# Altium PCB GSM.PcbDoc (part 2 of 2)
Units mm, origin at the board's own origin, x right, y up, seen from the top; angles counter-clockwise.
Board outline 70.85 x 70.33 mm, 4 copper layers (Top Layer, Layer 1, Layer 2, Bottom Layer), stack 1.569 mm thick; 227 components, 127 nets, 668 pads, 229 vias.
Unrouted connection lines stored in the file: 10.
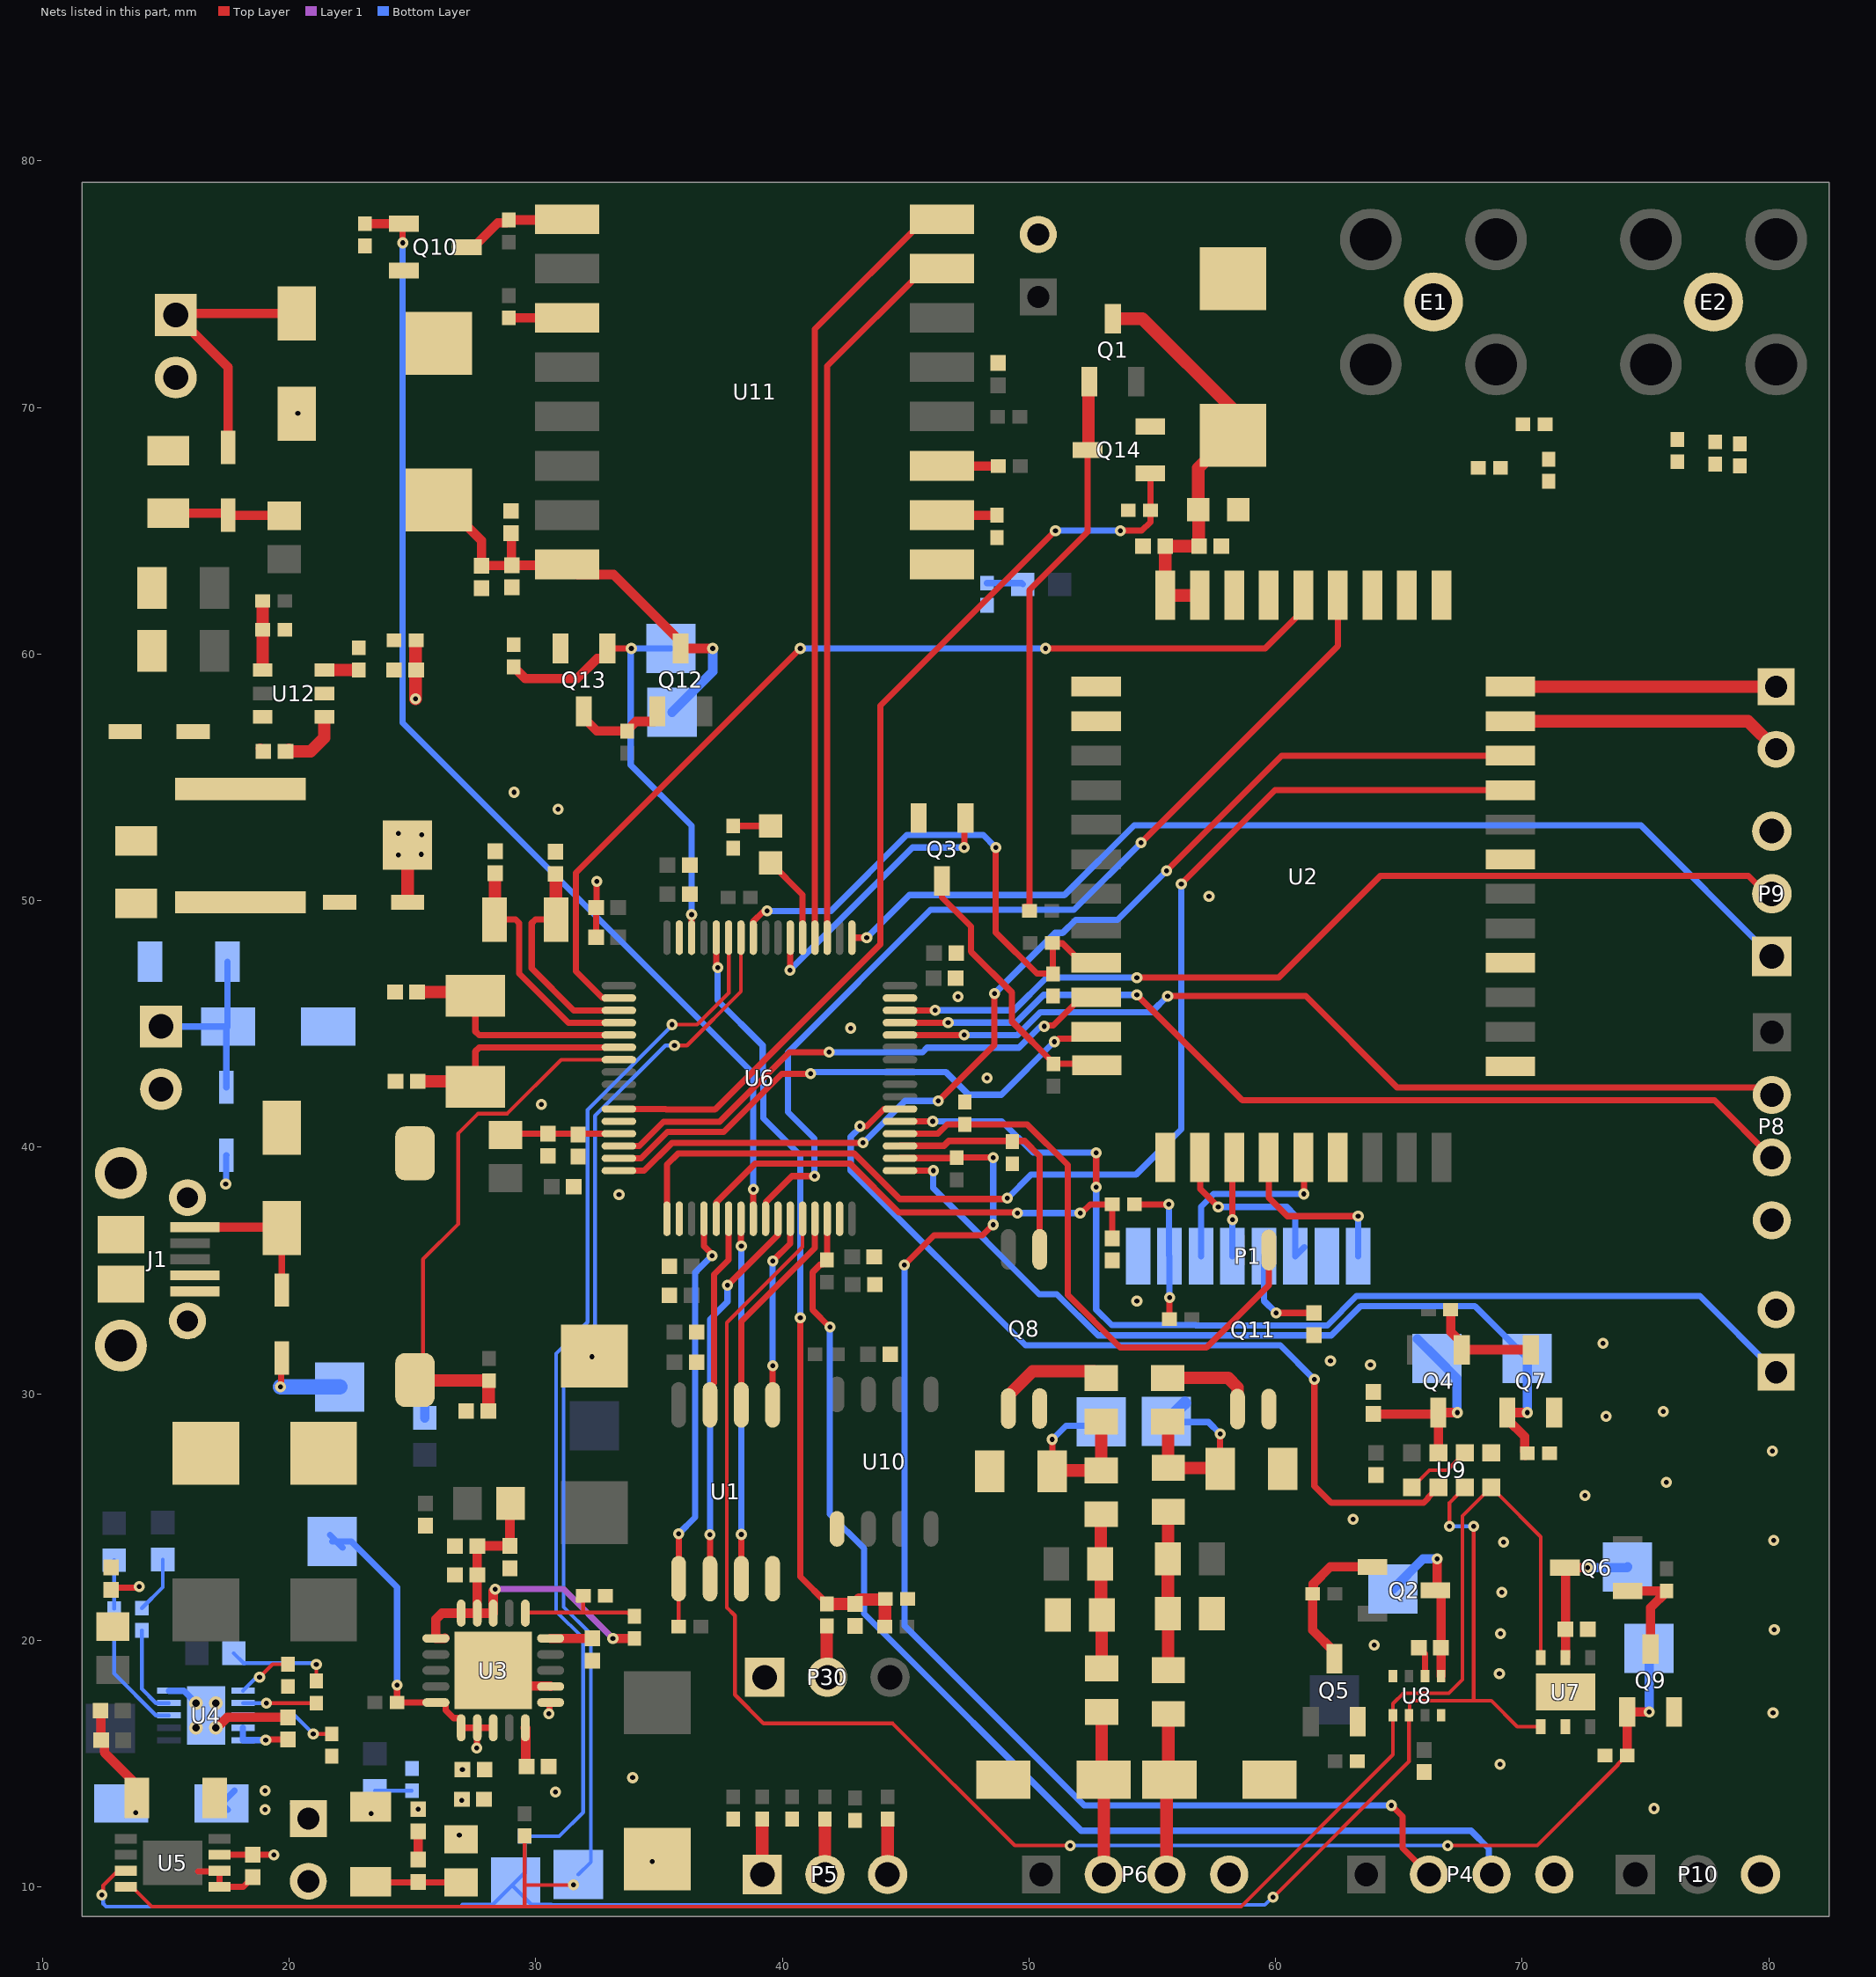
[diagram p4: the nets of this part, all layers, seen from the top]

## Via types
v1: diameter 0.45, hole 0.2, Top Layer to Bottom Layer, 196 vias
v2: diameter 0.45, hole 0.2, Top Layer to Bottom Layer, tented both sides, 16 vias
v3: diameter 0.5, hole 0.2, Top Layer to Bottom Layer, 13 vias
v4: diameter 0.55, hole 0.3, Top Layer to Bottom Layer, 4 vias

## Nets (pads, with @x,y where several pads share a name; then routed paths per layer and width w, separated by ;. In a path a pad name is that pad's centre, name@x,y a point inside that pad or via, vN(x,y) a via of type N, cw(c..) or ccw(c..) an arc to the next point about the centre after c; other vN are vias at no path point) (continued)
DC/DC: C28.2 C56.2 D8.2 D10.2 D17.2 L2.1 P17.1 P19.1 R60.2 | length 10.9
  Top Layer w0.254: L2.1@12.775,20.625 L2.1@12.85,20.55 ; C28.2@12.775,22.05 12.862,22.137 13.887,22.137 v1(13.925,22.175) ; v1(19.65,30.275) 19.675,30.3 19.675,31.425 D8.2@19.7,31.45
  Top Layer w0.508: D17.2@24.8,49.925 P19.1@24.8,52.25 ; v1(25.125,58.175) 25.125,60.525 cw(c25.15,60.525) R60.2@25.15,60.55
  Layer 1 w0.254: v1@19.558,30.297 v1(19.65,30.275)
  Bottom Layer w0.254: v1(17.425,38.5) 17.438,38.513 17.438,39.663 D10.2@17.45,39.675
  Bottom Layer w0.635: v1(19.65,30.275) P17.1@22.05,30.275
  other v1: 24.425,51.85 25.35,51.875 25.375,52.675 24.425,52.725
GND: BAT1.2 C1.1 C2.1 C3.2 C4.1 C5.1 C6.2 C7.2 C8.2 C9.1 C10.2 C11.1 C12.2 C13.1 C14.2 C15.1 C16.2 C17.1 C18.1 C19.1 C20.1 C21.1 C22.1 C23.1 C24.1 C25.1 C26.1 C27.1 C28.1 C29.1 C30.2 C31.2 C34.1 C35.1 C36.1 C37.1 C38.1 C39.1 C40.1 C41.1 C42.1 C43.1 C44.1 C45.1 C46.1 C47.1 C48.1 C49.1 C50.1 C51.1 C52.1 C54.1 C55.1 C57.1 C58.1 C59.1 C60.1 C61.1 C62.1 C63.1 C64.1 C65.1 D1.1 D3.1 D9.1 D11.1 D12.1 D18.1 D20.1 J1.4 J1.5 J1.6 J1.7 J1.8 J1.9 J1.10 J1.11 P1.2 P1.8 P2.2 P3.2 P4.4 P7.2 P8.4 P9.3 P10.3 P14.2 P30.1 Q3.2 Q5.2 Q7.2 Q9.2 Q10.2 Q13.2 Q14.2 R3.2 R5.2 R7.1 R8.1 R9.1 R12.1 R18.1 R24.1 R25.1 R30.1 R31.1 R36.1 R42.1 R43.1 R47.1 R48.1 R55.1 R58.1 R61.1 R62.1 R65.1 R66.1 R67.1 R68.1 R69.1 R70.1 R72.1 S1.1 U1.4 U2.2 U2.13 U2.18 U2.22 U2.25 U2.28 U2.34 U2.36 U2.39 U2.40 U3.12 U3.21 U4.5 U4.11 U5.1 U5.2 U6.12 U6.18 U6.31 U6.47 U6.63 U7.2 U7.7 U8.1 U8.5 U8.7 U9.1 U10.5 U11.9 U12.2 | length 18.7
  Top Layer w0.254: v1(13.775,13) D3.1@13.775,13.85 ; 16.3,10.625 17.15,10.625 U5.2@17.175,10.65 U5.1@17.175,10 18.135,10 18.525,10.39 C27.1@18.525,10.4 C27.1@18.7,10.225 ; C16.2@32.443,48.516 C15.1@32.443,49.716 32.459,49.732 32.459,50.759 v1(32.475,50.775) ; C35.1@65.809,19.7 65.819,19.7 66.059,19.46 U8.7@66.059,18.55
  Top Layer w0.381: C29.1@12.35,17.15 12.362,17.137 12.362,15.963 C18.1@12.375,15.95 12.385,15.95 12.505,15.831 12.505,15.445 13.775,14.175 D3.1@13.775,13.85 ; v4(17.025,16.45) 17.071,16.45 17.496,16.875 C19.1@19.95,16.875 ; D20.1@20.3,69.743 20.315,69.758 v1(20.35,69.758) ; C22.1@25.225,11.1 C23.1@25.225,12.25 ; U3.21@29.663,18.225 29.748,18.14 30.585,18.14 U3.12@30.6,18.125 ; Q13.2@30.867,60.375 31.002,60.241 Q13.2@31.002,60.225 ; v1(32.273,31.499) 32.299,31.525 C25.1@32.375,31.525 ; v1(34.725,11.025) 34.825,11.125 C24.1@34.925,11.125
  Bottom Layer w0.254: U4.5@15.125,17.95 15.127,17.948 15.727,17.948 v4(16.225,17.45)
  other v1: 30.802,13.852 33.927,14.427 64,19.8 63.15,24.9 63.85,31.175 62.225,31.325 54.375,33.75 33.377,38.077 30.227,41.727 48.302,42.802 42.775,44.825 47.127,46.102 57.3,50.175 30.9,53.7 29.116,54.391
  other v2: 75.35,13.175 69.1,14.975 80.175,17.05 69.075,18.65 69.125,20.275 80.225,20.425 69.175,21.95 69.25,23.975 80.2,24.05 72.55,25.875 75.85,26.4 80.15,27.675 73.4,29.075 75.725,29.275 73.275,32.05
  other v4: 16.225,16.45 17.025,17.45
GND24: C32.1 C33.1 D15.1 D16.1 P6.4 Q8.2 Q11.2 R17.1 R29.1
GPS_TX: U2.37 U6.25 | length 39.7
  Top Layer w0.254: U6.25@39.319,37.095 39.328,37.104 39.328,37.761 40.392,38.825 v1(41.3,38.825) ; v1(54.55,52.35) 62.525,60.325 U2.37@62.525,62.375
  Bottom Layer w0.254: v1(41.3,38.825) 41.3,40.347 40.225,41.422 40.225,43.838 46.012,49.625 51.825,49.625 v1(54.55,52.35)
GSM_CTS: U2.10 U6.14 | length 21.9
  Top Layer w0.254: U6.14@33.369,40.045 34.195,40.045 35.175,41.025 37.45,41.025 40.275,43.85 v1(41.9,43.85) ; v1(50.625,44.9) 50.663,44.938 50.988,44.938 52.125,46.075 U2.10@52.725,46.075
  Bottom Layer w0.254: v1(41.9,43.85) 45.683,43.85 45.868,44.034 49.598,44.034 50.464,44.9 v1(50.625,44.9)
GSM_EN: Q14.1 R58.2 U6.11 | length 39.1
  Top Layer w0.254: U6.11@33.369,41.545 35.258,41.545 35.282,41.521 37.271,41.521 43.975,48.225 43.975,57.9 v1(51.075,65) ; v1(53.7,65) 54.575,65 54.925,65.35 R58.2@54.925,65.825 Q14.1@54.925,67.325
  Bottom Layer w0.254: v1(51.075,65) v1(53.7,65)
GSM_LP: R23.1 R30.2 U2.9 U6.57 | length 21.9
  Top Layer w0.254: U6.57@38.819,48.495 38.828,48.504 38.828,49.161 39.207,49.54 39.339,49.54 v1(39.377,49.577) ; v1(48.65,52.15) 48.65,48.705 50.319,47.036 50.961,47.036 50.963,47.038 R23.1@50.963,48.263 ; R23.1@50.95,48.275 R23.1@50.963,48.263 ; U2.9@52.725,47.475 52.15,47.475 51.362,48.263 R23.1@50.963,48.263
  Bottom Layer w0.254: v1(39.377,49.577) 41.968,49.577 45.045,52.654 48.146,52.654 v1(48.65,52.15)
GSM_RESET: Q3.1 U6.54 | length 11.7
  Top Layer w0.254: v1(40.3,47.175) 40.31,47.185 40.31,48.486 U6.54@40.319,48.495 ; v1(47.375,52.15) 47.375,53.3 Q3.1@47.425,53.35
  Bottom Layer w0.254: v1(40.3,47.175) 45.275,52.15 v1(47.375,52.15)
GSM_RTS: U2.11 U6.15 | length 22.2
  Top Layer w0.254: U6.15@33.369,39.545 34.27,39.545 35.343,40.619 37.618,40.619 39.975,42.975 v1(41.15,42.975) ; v1(51.025,44.275) 51.078,44.275 51.205,44.402 52.452,44.402 U2.11@52.725,44.675
  Bottom Layer w0.254: v1(41.15,42.975) 41.224,43.049 46.626,43.049 47.55,42.125 48.875,42.125 v1(51.025,44.275)
GSM_RX: U2.31 U6.16 | length 44.3
  Top Layer w0.254: U6.16@33.369,39.045 34.395,39.045 35.525,40.175 v1(43.275,40.175) ; v1(46.325,41.875) 48.6,44.15 v1(48.6,46.225) ; v1(55.575,51.2) 60.25,55.875 U2.31@69.525,55.875
  Bottom Layer w0.254: v1(43.275,40.175) 44.975,41.875 v1(46.325,41.875) ; v1(48.6,46.225) 51.063,48.687 51.366,48.687 51.897,49.219 53.594,49.219 v1(55.575,51.2)
GSM_TX: U2.30 U6.17 | length 50
  Top Layer w0.254: U6.17@35.319,37.095 35.319,39.294 35.761,39.736 42.921,39.736 44.761,37.896 49.096,37.896 v1(49.125,37.925) ; v1(56.175,50.675) 59.975,54.475 U2.30@69.525,54.475
  Bottom Layer w0.254: v1(49.125,37.925) 50.079,38.879 54.329,38.879 56.175,40.725 v1(56.175,50.675)
GSM_UPDATE_RX: P11.2 U2.32 | length 11.2
  Top Layer w0.508: U2.32@69.525,57.275 79.16,57.275 P11.2@80.3,56.135
GSM_UPDATE_TX: P11.1 U2.33 | length 10.8
  Top Layer w0.508: U2.33@69.525,58.675 P11.1@80.3,58.675
I2C1_SCL: P13.1 R50.1 U5.8 U6.58 U7.6 U8.4 U9.8 | length 122.6
  Top Layer w0.152: U5.8@13.375,10 13.625,10 14.425,9.2 29.544,9.2 ; R50.1@29.544,12.065 29.544,10.05 ; v1@31.55,10.05 v1(31.525,10.075) 29.569,10.075 29.544,10.05 ; v1(35.625,44.125) 36.131,44.125 38.319,46.313 U6.58@38.319,48.495 ; U7.6@70.757,19.297 70.757,24.193 69.036,25.914 69.036,25.926 68.763,26.2 U9.8@68.75,26.2 68.738,26.2 67.576,25.039 67.576,18.401 67.025,17.85 65.181,17.85 64.759,17.429 U8.4@64.759,16.95 64.759,15.359 58.6,9.2 29.544,9.2 ; 29.544,9.2 29.544,10.05
  Bottom Layer w0.152: P13.1@31.725,10.5 32.23,11.005 32.23,20.25 31.13,21.35 31.13,31.499 32.405,32.774 32.405,41.271 35.259,44.125 v1(35.625,44.125)
I2C1_SDA: P12.1 R49.1 U5.7 U6.59 U7.1 U8.3 U9.7 | length 120.5
  Top Layer w0.152: v1(12.4,9.675) 12.457,9.732 12.457,10.055 13.052,10.65 U5.7@13.375,10.65 ; v1(35.519,44.969) 36.544,44.969 37.829,46.254 37.829,48.485 U6.59@37.819,48.495 ; v1(59.9,9.575) 65.409,15.084 U8.3@65.409,16.95 65.433,16.974 65.433,17.429 65.55,17.545 68.03,17.545 ; v1(67.055,24.62) 67.055,25.58 67.389,25.914 67.389,25.926 67.637,26.175 U9.7@67.65,26.175 ; v1(68.03,24.62) 68.03,17.545 ; U7.1@70.757,16.497 69.797,16.497 68.749,17.545 68.03,17.545
  Bottom Layer w0.152: v1(12.4,9.675) 12.457,9.618 12.457,9.318 12.575,9.2 26.95,9.2 27.026,9.276 28.251,9.276 P12.1@29.037,10.062 ; v1(35.519,44.969) 35.519,44.925 32.1,41.506 32.1,32.9 30.825,31.625 30.825,21.175 31.925,20.075 31.925,13.025 30.95,12.05 R49.1@29.55,12.05 29.55,10.575 P12.1@29.175,10.2 P12.1@29.037,10.062 ; v1(59.9,9.575) 59.866,9.575 59.562,9.271 30.63,9.271 30.626,9.276 29.824,9.276 P12.1@29.037,10.062 ; v1(67.055,24.62) v1(68.03,24.62)
I2C2_SCL: P4.2 R28.1 U6.34 | length 51.6
  Top Layer w0.254: U6.34@44.769,39.545 44.778,39.554 47.054,39.554 R28.1@47.075,39.575 v1(48.55,39.575) ; v1(44.95,35.225) 46.15,36.425 48.118,36.425 48.543,36.85 v1(48.55,36.85) ; v1(64.7,13.3) 65.15,12.85 65.15,11.57 P4.2@66.22,10.5
  Bottom Layer w0.254: v1(44.95,35.225) 44.95,20.591 52.241,13.3 v1(64.7,13.3) ; v1(48.55,36.85) v1(48.55,39.575)
I2C2_SDA: P4.3 R27.1 U6.30 | length 47.6
  Top Layer w0.254: U6.30@41.819,37.095 41.81,37.086 41.81,35.435 R27.1@41.8,35.425 41.8,35.4 41.652,35.252 41.557,35.252 41.219,34.915 41.219,33.406 v1(41.925,32.7)
  Bottom Layer w0.254: v1(41.925,32.7) 41.925,25.112 43.311,23.726 43.311,21.081 52.117,12.275 67.925,12.275 68.653,11.547 68.653,10.607 P4.3@68.76,10.5
NetC5_2: C5.2 C6.1 L1.2 U6.13 | length 4.6
  Top Layer w0.254: L1.2@28.768,40.491 28.822,40.545 C5.2@30.493,40.545 31.718,40.545 U6.13@33.369,40.545
NetC20_2: C20.2 C21.2 C45.2 C46.2 Q1.3 U2.41 U2.42 | length 17.4
  Top Layer w0.508: Q1.3@53.4,73.6 54.6,73.6 58.275,69.925 C20.2@58.275,68.875 58.2,68.875 56.862,67.537 C21.2@56.862,65.85 56.881,65.831 56.881,64.394 C45.2@56.9,64.375 C46.2@55.525,64.375 U2.42@55.525,62.375 U2.41@56.925,62.375
NetC22_2: C22.2 F1.2 L3.1 | length 3.7
  Top Layer w0.254: F1.2@23.3,10.201 23.326,10.175 L3.1@26.975,10.175
NetC32_2: C32.2 P23.1 R15.2 R16.1 | length 8
  Top Layer w0.254: C32.2@50.945,26.85 v1(50.945,28.145)
  Top Layer w0.508: C32.2@50.599,26.454 50.945,26.8 C32.2@50.947,26.797 ; C32.2@50.945,26.85 50.984,26.889 52.92,26.889 52.925,26.894 R16.1@52.925,28.861
  Bottom Layer w0.254: v1(50.945,28.145) 51.5,28.7 52.764,28.7 P23.1@52.925,28.861
NetC33_2: C33.2 P24.1 R21.2 R26.1 | length 8.8
  Top Layer w0.254: v1(57.75,28.375) 57.75,26.955 C33.2@57.755,26.95 C33.2@57.755,26.7
  Top Layer w0.508: R26.1@55.625,28.861 55.637,28.848 55.637,27.001 R21.2@55.65,26.989 57.716,26.989 C33.2@57.75,26.955
  Bottom Layer w0.254: P24.1@55.575,28.875 55.6,28.85 57.275,28.85 v1(57.75,28.375)
  Bottom Layer w0.508: P24.1@55.805,29.105 P24.1@56.321,29.621
NetC34_2: C34.2 P22.1 Q6.3 U7.5 | length 6.2
  Top Layer w0.381: Q6.3@71.724,22.939 Q6.3@71.732,22.947 v1(72.653,22.947) ; U7.5@71.757,19.297 C34.2@71.757,20.447 Q6.3@71.757,22.922
  Bottom Layer w0.381: v1(72.653,22.947) 74.247,22.947 P22.1@74.275,22.975
NetC35_2: C35.2 P20.1 Q2.3 U8.8 | length 7.1
  Top Layer w0.381: v1(66.55,23.3) 66.55,22.05 66.709,21.89 C35.2@66.709,19.7 U8.8@66.709,18.55
  Bottom Layer w0.381: P20.1@64.759,22.075 65.984,23.3 v1(66.55,23.3)
NetC38_2: C38.2 P21.1 Q4.3 U9.3 | length 8.7
  Top Layer w0.381: C38.2@63.958,29.177 Q4.3@66.544,29.177 ; U9.3@66.6,27.6 66.6,29.121 Q4.3@66.544,29.177 ; v1(67.368,29.232) Q4.3@66.6,29.232 Q4.3@66.544,29.177
  Bottom Layer w0.381: P21.1@65.75,32.225 P21.1@66.55,31.425 67.36,30.615 67.36,29.241 v1(67.368,29.232)
NetC42_2: C42.2 C43.2 C49.2 C61.2 P25.1 Q12.3 U11.8 | length 19.1
  Top Layer w0.381: C49.2@29.002,64.899 29.014,64.886 29.014,63.611 C42.2@29.027,63.599 ; v1(37.174,60.224) Q12.3@35.877,60.224 35.877,60.499 33.155,63.22 31.684,63.22 U11.8@31.275,63.63 31.244,63.599 C42.2@29.027,63.599 ; C61.2@26.15,66.25 27.802,64.598 C43.2@27.802,63.574 27.814,63.586 29.014,63.586 C42.2@29.027,63.599 ; C61.2@26.15,66.25 C61.2@26.075,66.25 C61.2@26.15,66.25
  Bottom Layer w0.381: P25.1@35.525,57.639 37.174,59.287 v1(37.174,60.224)
NetC44_2: C44.2 P1.4 | length 4.1
  Top Layer w0.254: v1(60.025,33.275) C44.2@61.55,33.275 ; C44.2@61.525,33.325 C44.2@61.575,33.275
  Bottom Layer w0.254: P1.4@59.525,35.575 59.525,33.775 v1(60.025,33.275)
NetC51_2: C51.2 C52.2 C59.2 L6.1 R64.2 U3.1 U3.18 U3.19 U3.20 | length 17.4
  Top Layer w0.381: U3.1@26.31,20.09 26.294,20.075 U3.1@25.95,20.075 25.95,20.852 26.198,21.1 U3.20@26.975,21.1 U3.19@27.625,21.1 ; v1(28.35,22.075) 28.275,22 U3.18@28.275,21.1 U3.19@27.625,21.1 ; L6.1@29.325,25.2 L6.1@28.975,25.55 28.95,25.525 C59.2@28.95,23.825 C52.2@27.625,23.825 C51.2@27.625,22.65 U3.19@27.625,21.1 ; v1(33.125,20.075) R64.2@34,20.075
  Layer 1 w0.254: 27.625,22.65 27.65,22.65 ; v1(28.35,22.075) 31.125,22.075 v1(33.125,20.075)
NetC53_1: C53.1 U12.1 | length 2.8
  Top Layer w0.381: C53.1@19.85,56.05 19.97,56.169 19.98,56.169 C53.1@19.98,56.179
  Top Layer w0.508: C53.1@19.85,56.05 20.872,56.05 21.425,56.603 U12.1@21.425,57.45
NetC53_2: C53.2 D18.2 L4.1 U12.6 | length 0.2
  Top Layer w0.381: C53.2@18.82,56.179 18.82,56.169 18.94,56.05 C53.2@18.95,56.05
NetC54_2: C54.2 D17.1 L4.2
NetC56_1: C56.1 R60.1 R62.2 U12.3 | length 1.4
  Top Layer w0.508: U12.3@21.425,59.35 R62.2@22.825,59.35
NetC57_2: C57.2 D19.2 L5.1 | length 4.7
  Top Layer w0.381: C57.2@15.1,65.705 17.445,65.705 D19.2@17.525,65.625 19.775,65.625 L5.1@19.8,65.6
NetC62_2: C62.2 U3.10 | length 1.6
  Top Layer w0.381: U3.10@29.575,16.45 29.59,16.434 29.59,14.909 C62.2@29.625,14.875
NetC63_2: C63.2 U3.15 | length 1.7
  Top Layer w0.381: U3.15@30.6,20.075 C63.2@32.3,20.075
NetD2_2: D2.2 R1.2 | length 2
  Bottom Layer w0.152: R1.2@12.9,21.275 D2.2@12.9,23.25
NetD4_2: D4.2 R2.2 | length 2.3
  Bottom Layer w0.152: R2.2@14.025,21.3 14.875,22.15 D4.2@14.875,23.275
NetD5_2: D5.2 R4.2 | length 4.2
  Top Layer w0.152: R4.2@21.1,18.35 v1(21.1,19.025)
  Bottom Layer w0.152: D5.2@17.75,19.475 18.149,19.076 21.049,19.076 v1(21.1,19.025)
NetD6_2: D6.2 R7.2 | length 1.5
  Bottom Layer w0.152: D6.2@23.475,13.9 R7.2@24.975,13.9
NetD7_2: D7.2 R8.2 | length 1.3
  Bottom Layer w0.381: D7.2@25.5,29.02 R8.2@25.5,30.25 R8.2@25.585,30.165
NetD8_1: D8.1 D9.2 J1.1 | length 6.1
  Top Layer w0.254: D9.2@19.668,36.75 D9.2@19.7,36.718 D8.1@19.7,34.2
  Top Layer w0.381: J1.1@16.175,36.75 D9.2@19.668,36.75
NetD10_1: D10.1 D11.2 D12.2 P3.1 | length 7.8
  Bottom Layer w0.254: P3.1@14.8,44.89 D12.2@17.5,44.89 ; D10.1@17.45,42.425 17.45,44.822 17.5,44.872 D12.2@17.5,44.89 ; D11.2@17.5,47.525 D12.2@17.5,44.89
NetD13_2: D13.2 R9.2 | length 1.5
  Bottom Layer w0.254: R9.2@48.3,62.875 49.7,62.875 D13.2@49.75,62.825
NetD14_2: D14.2 R12.2 | length 1.5
  Top Layer w0.254: R12.2@38,53.025 D14.2@39.525,53.025
NetD19_1: D19.1 D20.2 P2.1 | length 11.2
  Top Layer w0.381: D19.1@17.525,68.375 17.525,71.625 P2.1@15.4,73.75 15.457,73.807 D20.2@20.3,73.807
NetE1_1: E1.1 R22.2 R25.2
NetE2_1: E2.1 R46.2 R47.2
NetP1_1: P1.1 U2.16 | length 7.2
  Top Layer w0.254: U2.16@59.725,39.575 59.725,37.95 60.475,37.2 v1(63.35,37.2)
  Bottom Layer w0.254: P1.1@63.35,35.575 v1(63.35,37.2)
NetP1_7: P1.7 R34.1 R35.1 | length 6.1
  Top Layer w0.254: R35.1@54.275,37.675 v1(55.675,37.675) ; R34.1@55.7,33.025 v1(55.7,33.9)
  Bottom Layer w0.254: v1(55.675,37.675) 55.675,35.6 P1.7@55.7,35.575 v1(55.7,33.9)
NetP5_1: P5.1 R32.2 | length 2.3
  Top Layer w0.508: P5.1@39.185,10.5 R32.2@39.185,12.75
NetP5_2: P5.2 R40.2 | length 2.3
  Top Layer w0.508: P5.2@41.725,10.5 R40.2@41.725,12.75
NetP5_3: P5.3 R41.2 | length 2.3
  Top Layer w0.508: P5.3@44.265,10.5 R41.2@44.265,12.75
NetP30_2: P30.2 R71.1 | length 2.1
  Top Layer w0.508: P30.2@41.8,18.507 R71.1@41.8,20.567
NetQ1_1: Q1.1 Q14.3 R57.1 | length 23.1
  Top Layer w0.254: R57.1@49.852,49.748 49.852,49.723 50,49.575 R57.1@50.025,49.575 50.025,62.6 52.375,64.95 52.375,68 52.1,68.275 Q14.3@52.375,68.275
  Top Layer w0.508: Q14.3@52.375,68.275 52.412,68.312 52.412,71.012 Q1.1@52.45,71.05
NetQ2_1: Q2.1 Q5.3 R37.1 | length 6.1
  Top Layer w0.381: Q5.3@62.397,19.262 Q5.3@62.384,19.25 62.384,19.525 61.502,20.407 R37.1@61.502,21.883 61.527,21.883 61.527,22.283 62.219,22.975 Q2.1@63.934,22.975
NetQ3_3: Q3.3 R33.1 U2.12 | length 11.1
  Top Layer w0.254: Q3.3@46.475,50.8 46.475,50.125 47.649,48.951 47.649,47.926 49.313,46.262 49.313,45.087 51,43.4 R33.1@51,43.375 52.7,43.375 U2.12@52.75,43.325
NetQ4_1: Q4.1 Q7.3 R38.1 | length 4.6
  Top Layer w0.381: R38.1@67.1,33.407 67.1,32.507 67.55,32.057 Q4.1@67.55,31.782 Q7.3@70.35,31.782
NetQ6_1: Q6.1 Q9.3 R39.1 | length 4.2
  Top Layer w0.381: Q6.1@74.282,21.997 R39.1@75.857,21.997 75.857,21.972 75.207,21.322 Q9.3@75.207,19.647
NetQ8_1: Q8.1 R16.2 | length 4.3
  Top Layer w0.508: Q8.1@49.165,29.925 50.15,30.91 52.654,30.91 R16.2@52.925,30.639
NetQ11_1: Q11.1 R26.2 | length 3.5
  Top Layer w0.508: R26.2@55.625,30.639 58.076,30.639 58.465,30.25 Q11.1@58.465,29.75
NetQ12_1: Q12.1 Q13.3 R56.1 | length 4
  Top Layer w0.381: Q13.3@31.952,57.675 31.952,57.4 32.477,56.875 R56.1@33.702,56.875 33.702,56.9 34.066,57.264 34.792,57.264 34.927,57.399 Q12.1@34.927,57.674
NetR1_1: R1.1 U4.3 | length 4.7
  Bottom Layer w0.152: R1.1@12.9,20.375 12.9,18.65 14.6,16.95 U4.3@15.125,16.95
NetR2_1: R2.1 U4.4 | length 3.7
  Bottom Layer w0.152: R2.1@14.025,20.4 14.025,18.025 14.6,17.45 U4.4@15.125,17.45
NetR3_1: R3.1 U4.8 | length 3.9
  Top Layer w0.152: v1(20.975,16.2) R3.1@21.725,16.2
  Bottom Layer w0.152: U4.8@18.125,16.95 20.225,16.95 v1(20.975,16.2)
NetR4_1: R4.1 U4.7 | length 3
  Top Layer w0.152: v1(19.075,17.45) R4.1@21.1,17.45
  Bottom Layer w0.152: U4.7@18.125,17.45 v1(19.075,17.45)
NetR5_1: R5.1 U4.6 | length 2.6
  Top Layer w0.152: v1@18.756,18.5 v1(18.8,18.5) 19.325,19.025 R5.1@19.95,19.025 R5.1@20.149,19.224
  Bottom Layer w0.152: U4.6@18.125,17.95 18.675,18.5 v1(18.8,18.5)
NetR13_1: R13.1 R14.2 R15.1 R17.2 | length 6.3
  Top Layer w0.508: R15.1@52.925,25.111 52.907,25.093 52.907,23.118 R13.1@52.889,23.1 52.919,23.069 52.919,21.055 R17.2@52.95,21.025 R14.2@52.95,18.864
NetR19_1: R19.1 R20.2 R21.1 R29.2 | length 6.4
  Top Layer w0.508: R20.2@55.65,18.789 55.643,18.796 55.643,21.068 R29.2@55.636,21.075 R19.1@55.636,23.3 55.643,23.307 55.643,25.204 R21.1@55.65,25.211
NetR22_1: R22.1 R24.2 U2.35
NetR46_1: R46.1 R48.2 U2.1
NetR52_1: R52.1 U11.3 | length 2.4
  Top Layer w0.381: R52.1@28.902,73.63 U11.3@31.275,73.63
NetR53_1: R53.1 U11.11 | length 2.3
  Top Layer w0.381: U11.11@46.475,67.63 46.48,67.625 R53.1@48.752,67.625
NetR55_2: R55.2 U11.10 | length 2.2
  Top Layer w0.381: U11.10@46.475,65.63 46.48,65.625 R55.2@48.702,65.625
NetR59_1: R59.1 R61.2 U12.4 | length 2.7
  Top Layer w0.508: U12.4@18.925,59.411 R61.2@18.925,60.975 R59.1@18.925,62.15
NetR64_1: R64.1 R65.2 U3.16 | length 5.2
  Top Layer w0.152: U3.16@29.575,21.1 29.601,21.126 31.875,21.126 ; R65.2@31.925,21.8 31.925,21.176 31.875,21.126 ; R64.1@34,20.85 33.724,21.126 31.875,21.126
NetU9_2: U9.2 U9.5 | length 2.7
  Top Layer w0.152: U9.5@65.525,26.2 65.537,26.2 66.238,26.9 66.963,26.9 67.663,27.6 U9.2@67.675,27.6
P_IN1: D15.2 P6.2 R14.1 | length 6.6
  Top Layer w0.508: R14.1@52.95,17.086 52.95,14.425 D15.2@53.025,14.35 53.035,14.34 P6.2@53.035,10.5
P_IN2: D16.2 P6.3 R20.1 | length 6.5
  Top Layer w0.508: P6.3@55.575,10.5 55.575,14.318 55.65,14.393 R20.1@55.65,17.011
QSPI_CLK: U1.6 U6.29 | length 8.8
  Top Layer w0.254: U1.6@38.335,29.55 38.335,32.93 41.31,35.905 41.31,37.086 U6.29@41.319,37.095
QSPI_CS: R10.1 U1.1 U6.20 | length 17.2
  Top Layer w0.152: R10.1@35.795,20.55 U1.1@35.795,22.5
  Top Layer w0.254: U1.1@35.795,22.5 v1(35.795,24.32) ; U6.20@36.819,37.095 36.819,35.984 37.15,35.653 v1(37.15,35.6)
  Bottom Layer w0.254: v1(35.795,24.32) 36.466,24.991 36.466,34.916 v1(37.15,35.6)
QSPI_IO0: U1.5 U6.27 | length 7.8
  Top Layer w0.254: U1.5@39.605,29.55 v1(39.605,31.13) ; v1(39.605,35.38) 40.31,36.085 40.31,37.086 U6.27@40.319,37.095
  Bottom Layer w0.254: v1(39.605,31.13) v1(39.605,35.38)
QSPI_IO1: U1.2 U6.26 | length 15.7
  Top Layer w0.254: U1.2@37.065,22.5 v1(37.065,24.285) ; v1(37.775,34.394) 39.81,36.429 39.81,37.086 U6.26@39.819,37.095
  Bottom Layer w0.254: v1(37.065,24.285) 37.065,33.015 37.775,33.725 v1(37.775,34.394)
QSPI_IO2: U1.3 U6.23 | length 14.6
  Top Layer w0.254: U6.23@38.319,37.095 38.319,36.006 v1(38.335,35.99) ; U1.3@38.335,22.5 v1(38.335,24.29)
  Bottom Layer w0.254: v1(38.335,24.29) v1(38.335,35.99)
QSPI_IO3: U1.7 U6.22 | length 7.9
  Top Layer w0.254: U1.7@37.065,29.55 37.065,30.269 37.225,30.429 37.225,34.831 37.819,35.425 U6.22@37.819,37.095
S_CLK: P1.5 U2.15 | length 4
  Top Layer w0.254: v1(58.253,37.052) 58.253,39.497 58.25,39.5 U2.15@58.325,39.575
  Bottom Layer w0.254: P1.5@58.25,35.575 58.253,35.578 v1(58.253,37.052)
S_DATA: P1.6 U2.17 | length 7.9
  Top Layer w0.254: U2.17@61.125,39.575 61.1,39.55 61.15,39.5 v1(61.15,38.1)
  Bottom Layer w0.254: P1.6@56.975,35.575 56.975,37.588 57.487,38.1 v1(61.15,38.1)
S_RST: P1.3 U2.14 | length 7.8
  Top Layer w0.254: U2.14@56.925,39.575 56.95,39.55 56.95,38.3 v1(57.675,37.575)
  Bottom Layer w0.254: v1(57.675,37.575) 60.45,37.575 60.8,37.225 P1.3@60.8,35.575 P1.3@61.173,35.948
SHT20_EN: P28.1 Q9.1 R68.2 U6.28 | length 66.2
  Top Layer w0.152: U6.28@40.819,37.095 40.819,35.953 37.75,32.884 37.75,21.325 38.075,21 38.075,17.787 39.237,16.625 44.475,16.625 49.425,11.675 v1(51.675,11.675) ; v1(66.975,11.675) 70.608,11.675 73.886,14.952 73.886,14.976 74.232,15.322 R68.2@74.257,15.322
  Top Layer w0.381: R68.2@74.257,15.322 Q9.1@74.257,17.097 v1(75.153,17.097)
  Bottom Layer w0.152: v1(51.675,11.675) v1(66.975,11.675)
  Bottom Layer w0.381: P28.1@75.15,19.675 75.153,19.672 v1(75.153,17.097)
SPI1_MISO: P8.2 U6.44 | length 37.7
  Top Layer w0.254: U6.44@44.769,44.545 46.507,44.545 46.511,44.541 46.929,44.541 46.933,44.545 v1(47.37,44.545) ; v1(55.625,46.125) 61.224,46.125 64.924,42.425 79.815,42.425 P8.2@80.125,42.115
  Bottom Layer w0.254: v1(47.37,44.545) 49.534,44.545 50.464,45.475 54.975,45.475 v1(55.625,46.125)
SPI1_MOSI: P8.3 U6.45 | length 38.6
  Top Layer w0.254: U6.45@44.769,45.045 45.982,45.045 45.986,45.041 46.404,45.041 46.408,45.045 v1(46.72,45.045) ; v1(54.375,46.175) 58.65,41.9 77.8,41.9 P8.3@80.125,39.575
  Bottom Layer w0.254: v1(46.72,45.045) 46.724,45.049 49.464,45.049 50.589,46.175 v1(54.375,46.175)
STM_BOOT: C41.2 R45.1 R71.2 R72.2 U6.60 | length 32.5
  Top Layer w0.254: U6.60@37.319,48.495 37.319,47.384 37.375,47.328 v1(37.375,47.275) ; v1(40.725,33.075) 40.725,22.582 41.807,21.5 R71.2@41.807,21.475
  Top Layer w0.508: R71.2@41.807,21.475 C41.2@42.95,21.475 42.95,21.485 43.119,21.654 44.154,21.654 R72.2@44.162,21.662 ; R45.1@44.15,20.55 44.162,20.563 R72.2@44.162,21.662 ; R72.2@44.175,21.675 R72.2@44.162,21.662
  Bottom Layer w0.254: v1(37.375,47.275) 37.375,45.95 39.2,44.125 39.2,43.188 39.225,43.163 39.225,41.175 40.725,39.675 v1(40.725,33.075)
STM_CD: C48.2 R35.2 U6.21 | length 19.7
  Top Layer w0.254: U6.21@37.319,37.095 37.328,37.104 37.328,37.761 38.896,39.329 42.753,39.329 44.728,37.354 49.496,37.354 v1(49.525,37.325) ; v1(52.075,37.325) 52.128,37.325 52.478,37.675 R35.2@53.375,37.675 C48.2@53.375,36.3
  Bottom Layer w0.254: v1(49.525,37.325) v1(52.075,37.325)
STM_GSM13: U2.38 U6.2 | length 40.7
  Top Layer w0.254: U6.2@33.369,46.045 33.36,46.054 32.703,46.054 31.625,47.132 31.625,51.125 v1(40.725,60.225) ; v1(50.675,60.225) 59.575,60.225 61.125,61.775 U2.38@61.125,62.375
  Bottom Layer w0.254: v1(40.725,60.225) v1(50.675,60.225)
STM_INPUT_1: Q8.3 R18.2 U6.35 | length 9.8
  Top Layer w0.254: U6.35@44.769,40.045 44.778,40.054 46.55,40.054 46.746,40.25 48.125,40.25 ; 48.15,40.25 48.55,40.25 49.825,40.25 50.435,39.64 Q8.3@50.435,35.85
STM_INPUT_2: Q11.3 R31.2 U6.36 | length 24.4
  Top Layer w0.254: U6.36@44.769,40.545 44.773,40.541 46.304,40.541 46.688,40.925 R31.2@47.4,40.925 49.925,40.925 51.571,39.279 51.571,34.004 53.7,31.875 57.2,31.875 59.725,34.4 Q11.3@59.725,35.825
STM_LED: D14.1 U6.53 | length 3.6
  Top Layer w0.254: D14.1@39.525,51.525 40.819,50.231 U6.53@40.819,48.495 U6.53@40.815,48.499
STM_RST: C40.2 R44.1 S1.2 U6.7 | length 22.7
  Top Layer w0.152: S1.2@25.1,30.555 25.424,30.879 25.424,35.449 26.85,36.875 26.85,40.55 27.661,41.361 28.845,41.361 31.028,43.545 U6.7@33.369,43.545
  Top Layer w0.508: S1.2@25.1,30.555 25.115,30.54 28.085,30.54 28.087,30.537 C40.2@28.087,29.312 ; S1.2@25.331,30.055 S1.2@25.341,30.065 ; C40.2@28.088,29.312 C40.2@28.075,29.3 C40.2@28.087,29.312
SWCLK: P9.1 U6.49 | length 41.4
  Top Layer w0.254: U6.49@42.819,48.495 v1(43.42,48.495)
  Bottom Layer w0.254: v1(43.42,48.495) 45.15,50.225 51.438,50.225 54.263,53.05 74.81,53.05 P9.1@80.125,47.735
SWDIO: P9.2 U6.46 | length 37.9
  Top Layer w0.254: U6.46@44.769,45.545 v1(46.195,45.545) ; v1(54.375,46.875) 60.129,46.875 64.249,50.996 79.175,50.996 79.896,50.275 P9.2@80.125,50.275
  Bottom Layer w0.254: v1(46.195,45.545) 46.199,45.549 49.389,45.549 50.714,46.875 v1(54.375,46.875)
TIM3_CH1_PWM: P7.1 U6.37 | length 44.5
  Top Layer w0.254: U6.37@44.769,41.045 v1(46.095,41.045) ; v1(52.725,38.375) v1(52.725,39.775)
  Bottom Layer w0.254: v1(46.095,41.045) 48.903,41.045 50.173,39.775 v1(52.725,39.775) ; v1(52.725,38.375) 52.725,33.412 53.355,32.781 56.758,32.781 56.769,32.771 62.096,32.771 63.282,33.956 77.211,33.956 P7.1@80.3,30.867
UART4_RX: U6.52 U11.16 | length 31.7
  Top Layer w0.254: U6.52@41.319,48.495 41.319,73.174 45.775,77.63 U11.16@46.475,77.63
UART4_TX: U6.51 U11.15 | length 29.5
  Top Layer w0.254: U6.51@41.819,48.495 41.819,71.674 45.775,75.63 U11.15@46.475,75.63
VBATT: BAT1.1 C19.2 C27.2 D1.2 D3.2 F1.1 U4.9 U4.10 U5.3 | length 7.6
  Top Layer w0.254: D3.2@16.975,13.6 D3.2@17.275,13.9 ; U5.3@17.175,11.3 C27.2@18.525,11.3 v1(19.375,11.3) ; v1(19.05,15.95) 19.075,15.975 C19.2@19.95,15.975 ; BAT1.1@20.775,12.765 BAT1.1@21.259,13.249
  Bottom Layer w0.254: D1.2@17.507,13.125 D1.2@17.257,13.375 D1.2@17.782,13.9 ; U4.9@18.125,16.45 U4.10@18.125,15.95 v1(19.05,15.95) ; BAT1.1@20.165,13.375 BAT1.1@20.775,12.765
  other v1: 23.325,12.975 19.025,13.125 19.025,13.9
VCC: C23.2 C26.2 C47.2 L3.2 P15.1 R63.2 U3.5 U3.6 U3.7 U3.8 U3.11 | length 15.2
  Top Layer w0.254: v1(24.375,18.175) R63.2@24.375,17.475 U3.5@25.95,17.475 26.299,17.475 26.343,17.431 26.343,17.161 26.662,16.843 26.931,16.843 26.975,16.799 U3.6@26.975,16.45 ; v1(25.225,13.15) 25.225,13.14 C23.2@25.408,12.957 ; L3.2@26.875,11.925 L3.2@26.975,11.925 ; C47.2@26.987,14.713 C47.2@27,14.7 ; U3.6@26.987,16.437 U3.6@26.975,16.45 ; v1(27.6,15.625) 27.613,15.638 27.613,16.437 U3.7@27.625,16.45 ; U3.8@28.275,16.45 U3.7@27.625,16.45 ; v1(30.525,17.025) 30.563,17.063 30.563,17.437 U3.11@30.6,17.475 ; U3.6@26.975,16.45 U3.7@27.625,16.45
  Bottom Layer w0.254: P15.1@21.65,24.275 P15.1@21.925,24 ; P15.1@21.75,24 P15.1@21.925,24 ; P15.1@22.175,23.75 P15.1@21.925,24 ; v1(24.375,18.175) 24.375,22.15 22.525,24 P15.1@21.925,24
  other v1: 26.9,12.1 27,13.5 27.025,14.75
VCNL4040_EN: P27.1 Q7.1 R67.2 U6.33 | length 35.1
  Top Layer w0.254: U6.33@44.769,39.045 v1(46.12,39.045)
  Top Layer w0.381: R67.2@70.123,27.505 R67.2@70.208,27.589 70.183,27.589 70.098,27.674 70.098,28.259 69.4,28.957 Q7.1@69.4,29.232 v1(70.207,29.232)
  Bottom Layer w0.254: v1(46.12,39.045) 46.12,38.33 50.416,34.034 51.131,34.034 52.801,32.364 62.264,32.364 63.45,33.55 68.083,33.55 P27.1@70.208,31.425
  Bottom Layer w0.381: v1(70.207,29.232) P27.1@70.208,31.425
VCNL4040_IRQ: U6.38 U9.6 | length 36.1
  Top Layer w0.254: v1(43.15,40.85) 43.417,40.85 44.112,41.545 U6.38@44.769,41.545 ; v1(61.575,30.575) 61.575,26.25 62.254,25.571 66.003,25.571 66.183,25.75 66.183,25.795 66.588,26.2 U9.6@66.6,26.2
  Bottom Layer w0.254: v1(43.15,40.85) 43.15,40.797 42.771,40.418 42.771,39.043 49.856,31.958 60.192,31.958 v1(61.575,30.575)
WIFI_EN: P29.1 Q13.1 R70.2 U6.62 | length 20
  Top Layer w0.254: Q13.1@32.902,60.225 33.875,60.225 v1(33.876,60.224) ; U6.62@36.319,48.495 v1(36.319,49.431)
  Top Layer w0.381: R70.2@29.102,59.475 29.102,59.45 29.186,59.366 29.211,59.365 29.578,58.999 31.675,58.999 32.492,59.816 32.767,59.816 32.902,59.95 Q13.1@32.902,60.225
  Bottom Layer w0.254: P29.1@35.475,60.224 v1(33.876,60.224) 33.85,60.198 33.85,55.502 36.319,53.033 v1(36.319,49.431)
WIFI_RESET: Q10.1 R69.2 U6.24 | length 47.9
  Top Layer w0.254: v1(24.6,76.675) 24.6,77.3 24.7,77.4 Q10.1@24.65,77.45 ; U6.24@38.819,37.095 v1(38.819,38.294)
  Top Layer w0.381: R69.2@23.075,77.475 R69.2@23.075,77.45 Q10.1@24.65,77.45
  Bottom Layer w0.254: v1(24.6,76.675) 24.6,57.213 38.819,42.994 v1(38.819,38.294)
WIFI_RST: Q10.3 R51.1 U11.1 | length 4.6
  Top Layer w0.381: Q10.3@27.2,76.5 27.475,76.5 28.464,77.489 28.817,77.489 28.889,77.561 28.889,77.611 R51.1@28.902,77.599 31.244,77.599 U11.1@31.275,77.63
Y1_N: C7.1 U6.4 Y1.1 | length 9.9
  Top Layer w0.254: Y1.1@28.33,49.23 29.177,49.23 29.326,49.081 29.326,47.04 31.329,45.037 U6.4@33.369,45.037
  Top Layer w0.508: Y1.1@28.33,49.23 28.34,49.241 28.34,51.096 C7.1@28.351,51.106
Y1_P: C3.1 U6.3 Y1.2 | length 9
  Top Layer w0.254: Y1.2@30.83,49.23 29.983,49.23 29.834,49.081 29.834,47.25 31.539,45.545 U6.3@33.369,45.545
  Top Layer w0.508: C3.1@30.801,51.081 30.815,51.066 30.815,49.245 Y1.2@30.83,49.23
Y2_N: C31.1 U6.6 Y2.1 | length 10
  Top Layer w0.254: Y2.1@27.543,42.656 Y2.1@27.55,42.656 ; Y2.1@27.55,42.44 Y2.1@27.55,42.656 ; Y2.1@27.893,42.656 Y2.1@27.55,42.656 ; U6.6@33.369,44.045 33.361,44.037 29.051,44.037 29.05,44.036 27.699,44.036 27.55,43.887 Y2.1@27.55,42.656
  Top Layer w0.508: C31.1@25.213,42.666 Y2.1@27.538,42.666
Y2_P: C8.1 U6.5 Y2.2 | length 11.1
  Top Layer w0.254: Y2.2@27.543,46.356 27.893,46.356 Y2.2@28.616,45.633 ; Y2.2@27.55,46.14 27.55,44.693 27.699,44.544 28.84,44.544 28.841,44.545 U6.5@33.369,44.545
  Top Layer w0.508: C8.1@25.188,46.291 27.463,46.291 Y2.2@27.538,46.366
pads on no net: E1. E2. J1.2 J1.3 U2.4 U2.5 U2.6 U2.7 U2.19 U2.20 U2.21 U2.23 U2.24 U2.26 U2.27 U2.29 U3.2 U3.3 U3.4 U3.9 U3.13 U3.14 U3.17 U5.5 U5.6 U5.9 U6.41 U6.50 U6.55 U6.56 U7.3 U7.4 U10.1 U10.2 U10.6 U10.7 U10.8 U11.2 U11.4 U11.5 U11.6 U11.7 U11.13 U11.14
copper on no net:
  other v2: 80.25,13.45
  other v3: 14.775,10.475 15.775,10.475 14.775,11.475 15.775,11.475 27.175,17.675 28.275,17.675 29.375,17.675 27.175,18.775 28.275,18.775 29.375,18.775 27.175,19.875 28.275,19.875 29.375,19.875

## Polygon pours and split planes (outlines as drawn)
GND on Layer 2 "Layer 2-No Net 1" (solid, shelved, pour order 48): 61.55,8.85 82.45,8.85 82.45,33.55 61.525,33.55
GND on Layer 2 "Layer 2-No Net 2" (solid, shelved, pour order 46): 11.612,8.8 47.025,8.8 47.025,33.5 11.587,33.5
GND24 on Layer 2 "Layer 2-No Net 3" (solid, shelved, pour order 44): 61.325,33.095 47.025,33.095 47.025,8.8 61.325,8.8
GND on Layer 2 "Layer 2-No Net" (solid, shelved, pour order 0): 11.578,33.275 82.45,33.275 82.45,79.125 11.6,79.125
+3.3V on Layer 1 "Layer 1-No Net 6" (solid, shelved, pour order 42): 82.45,33.4 61.525,33.4 61.525,8.8 82.45,8.8
+P_24V on Layer 1 "Layer 1-No Net 7" (solid, shelved, pour order 34): 61.35,33.1 47.025,33.1 47.025,8.805 61.35,8.805
GND on Layer 1 "Layer 1-No Net 3" (solid, shelved, pour order 28): 11.55,47.825 11.6,75.175 25.3,75.15 25.45,59.175 23.325,59.2 23.175,53.1 cw(c20.882,53.1) 22.852,51.927 21.531,49.707 20.35,48.825 18.992,48.123 cw(c17.798,50.364) 17.798,47.825
+3.3V on Layer 1 "Layer 1-No Net 4" (solid, shelved, pour order 24): 24.15,33.35 24.15,47.625 25.8,50.35 25.8,59.425 25.475,75.425 11.6,75.4 11.6,79.058 82.45,79.125 82.484,33.35
DC/DC on Layer 1 "Layer 1-No Net 5" (solid, shelved, pour order 22): 23.974,47.733 24.956,49.431 ccw(c23.16,51.227) 25.7,51.227 25.7,58.95 23.757,58.95 23.456,58.95 23.425,54.825 cw(c17.091,54.108) 17.091,47.733
DC/DC on Layer 1 "Layer 1-No Net 2" (solid, shelved, pour order 18): 23.975,47.735 23.975,25.56 15.375,25.56 15.375,21.585 11.8,21.585 11.8,47.735
CHARGER on Layer 1 "CHARGER" (solid, shelved, pour order 14): 24.2,14.85 24.125,14.925 24.125,25.65 15.35,25.65 15.35,21.725 11.6,21.725 11.6,14.876
VBATT on Layer 1 "Layer 1-No Net 1" (solid, shelved, pour order 6): 16.6,10.85 24.25,10.85 24.25,14.05 18.442,16.772 16.6,15.501
VCC on Layer 1 "VCC" (solid, remove dead copper, shelved, pour order 10): 24.411,11.075 27.825,11.075 30.375,11.075 30.375,15.096 31.385,17.55 30.1,17.55 29.05,16.5 24.335,16.5
+3.3V on Layer 1 "Layer 1-No Net" (solid, shelved, pour order 8): 30.343,8.8 30.343,17.575 24.15,17.575 24.15,33.65 46.875,33.65 46.875,8.8
GND on Bottom Layer "Bottom Layer-No Net 1" (solid, shelved, pour order 54): 61.537,8.8 82.45,8.8 82.45,33.35 61.537,33.35
GND on Bottom Layer "Bottom Layer-No Net 2" (solid, shelved, pour order 52): 11.612,8.8 46.875,8.8 46.875,33.4 11.612,33.4
GND24 on Bottom Layer "Bottom Layer-No Net 3" (solid, shelved, pour order 50): 47.05,8.85 61.35,8.85 61.35,33.1 47.05,33.1
GND on Bottom Layer "Bottom Layer-No Net" (solid, shelved, pour order 12): 11.6,79.125 82.45,79.125 82.45,33.275 11.6,33.275
GND on Top Layer "Top Layer-No Net 1" (solid, shelved, pour order 38): 11.612,8.8 11.587,33.5 82.45,33.5 82.45,8.848
GND24 on Top Layer "Top Layer-No Net 2" (solid, shelved, pour order 36): 47.05,8.85 61.35,8.85 61.35,33.1 47.05,33.1
GND on Top Layer "Top Layer-No Net" (solid, shelved, pour order 4): 11.575,33.325 11.6,79.125 82.45,79.096 82.45,33.325

## Other copper
Top Layer:
  rectangle net CHARGER: 17.95,19.975 18.675,22.5
  rectangle net CHARGER: 22.675,19.95 23.55,22.5
  region net NetC54_2: 20.675,49.3 21.046,49.625 22.725,49.625 22.725,50.2 22.7,50.225 21.925,50.225 cw(c21.925,51.475) 20.675,51.475
  region net 24V_INPUT: 19.15,64.425 18.177,64.425 ccw(c18.177,61.885) 16.381,63.681 16.35,63.65 16.35,61.425 17.698,61.425 ccw(c17.698,61.852) 18,61.55 cw(c20.5,61.489) 18.749,63.275 19.15,63.275
  region net +3.3V: 28.1,38.7 28.1,38.227 28.175,37.95 28.331,37.669 28.75,37.25 30.725,37.25 30.95,37.475 30.95,38.7
  region net +3.3V: 33.575,16.2 32.987,16.2 32.675,16.409 32.675,18.375 33.05,18.75 33.6,18.75
  region net NetC54_2: 20.675,51.475
  region net NetC54_2: 15.809,50.5 12.925,50.5 13,50.5 13,49.3 20.675,49.3 20.675,50.029
  region: 14.625,50.475
  region net NetC56_1: 23.075,59.1 23.125,59.05 24.575,59.05 24.575,60.8 24.55,60.825 23.95,60.825 23.95,60.25 23.35,59.65 23.075,59.65
  region: 23.1,59.075
  region net 24V_INPUT: 16.35,59.2 18.525,58.125 19.325,58.125 19.325,58.594 18,59.004 18,63.65 16.35,63.65
  region net NetC53_2: 19.325,57.725 15.45,57.725 15.375,57.65 15.375,52.975 16.352,52.975 17.591,54.017 18.602,54.017 19.26,53.523 20.675,54.937 19.325,55.362
  region: 19.15,64.425
  region: 11.975,21.625
  region net DC/DC: 12.175,21.125 12.375,21.55 12.475,21.775 13.075,21.775 13.325,21.45 13.5,21.1
  region net CHARGER: 13.65,17.45 14.525,16.575 14.525,15.825 14.35,15.65 12.925,15.65 12.925,17.45
  region net VBATT: 17.4,14.425 19.375,14.425 19.375,12.8 19.25,12.8 17.525,12.8 17.4,12.8
  region net CHARGER: 12.2,17.75 12.175,17.8 12.175,18.25 13.5,18.25 13.575,18.175 13.575,17.45 12.925,17.45 12.771,17.604 12.296,17.654 12.225,17.725
Bottom Layer:
  region net CHARGER: 15.6,15.825 14.55,15.825 13.7,15.525 13.7,17.425 14.55,16.575 15.6,16.575
  region net VBATT: 18.35,14.15 19.2,14.15 19.35,14 19.35,12.85 19.1,12.6 18.35,12.6